# Altium PCB BCM_ECU_revA.PcbDoc (part 2 of 2)
Units mil, origin at the board's own origin, x right, y up, seen from the top; angles counter-clockwise.
Board outline 6000 x 4000 mil, 2 copper layers (Top Layer, Bottom Layer); 334 components, 321 nets, 1183 pads, 0 vias.
Unrouted connection lines stored in the file: 714.
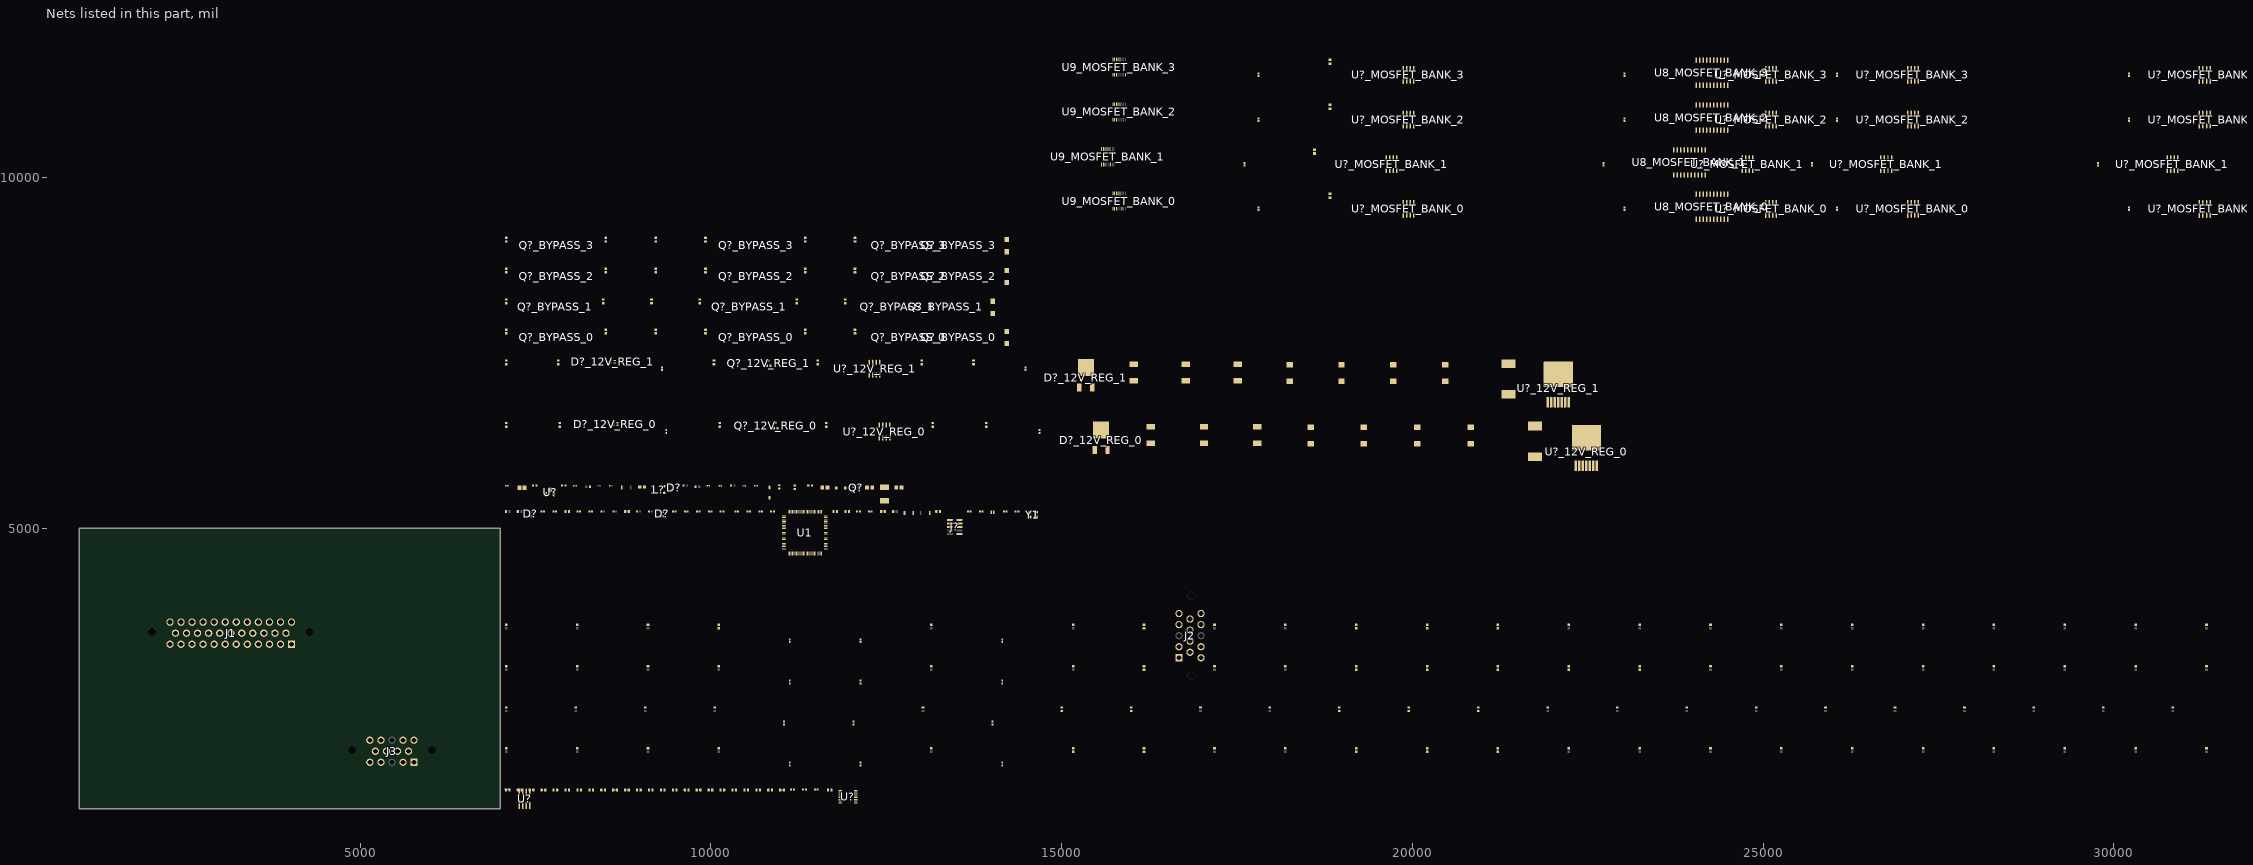
[diagram p2: the nets of this part, all layers, seen from the top]

## Part data (continued)
J1: library part CMP-03369-000154-1, "CONN HEADER R/A 35POS 4MM", Color=Black, Current Rating=17A, Flammability Rating="UL94 V-0", Max Operating Temperature=221°C, Max Voltage Rating (AC)=250V, Min Operating Temperature=-40°C, Package Quantity=1, Circuit Application=Power, Connector System=Wire-to-Device, Connector Type="Male Pin", Contact Material=Brass, Contact Plating=Tin, Contact Type="Male Pin", Depth=37.9mm, ELV=Compliant, Fastening Type=Ramp, Gender=Male, Height=32.1mm, Housing Material=Thermoplastic, Insulation=Insulated, Lead Free="Lead Free", Length=3.03inch, Mount="Through Hole", Number of Contacts=35, Number of Positions=35, Number of Rows=3, Number of Signal Positions=35, Orientation="Right Angle", Packaging=Bulk, PCB Mount Alignment="Yes (With)", PCB Mount Retention=With, PCB Thickness=0.062inch, Pitch=0.157inch, Primary Type=Rectangular, Radiation Hardening=No, RoHS Compliant=Yes, Row Spacing=0.157inch, Sealable="Yes (With)", Series=Ampseal, Shielding=Unshielded, Tab Thickness=1.3mm, Termination=Solder, Width=37.9mm
J2 J3: library part CMP-002-00075-1, "Combination Line Connector, 14 Contact(s), Male, Solder Terminal - MODEL IS CODE2 BUT USE CODE1", Mounting Technology=Board, RoHS Compliant=Yes
J?: library part CMP-001-0013-3, "CONN HEADER SMD 10POS 1.27MM"
L?: library part CMP-07251-000006-1, "CMC 51UH 200MA 2LN 2KOHM SMD", Case/Package=4532, Current=200mA, DC Resistance (DCR)=3.5R, Inductance=51uH, Insulation Resistance=10MR, Max Operating Temperature=125°C, Min Operating Temperature=-40°C, Package Quantity=1, Resistance=2kR, Self Resonant Frequency=100kHz, Tolerance=50%, Voltage Rating (DC)=50V, Contact Plating=Tin, Core Material=Ferrite, Current Rating=200mA, DC Current=200mA, Depth=3.4mm, Element Configuration=Dual, Height=0.118inch, Impedance=2kR, Lead Free="Lead Free", Length=4.5mm, Material=Steel, Max DC Current=200mA, Mount="Surface Mount", Number of Lines=2, Packaging="Tape and Reel", REACH SVHC="No SVHC", RoHS Compliant=Yes, Series=SRF4532, Termination=SMD/SMT, Test Frequency=100kHz, Width=0.126inch
L?_12V_REG_0 L?_12V_REG_1: library part CMP-07248-000069-1, "FIXED IND 10UH 10A 16.5 MOHM SMD", Case/Package=Nonstandard, Current Rating=10A, DC Resistance (DCR)=16.5mR, Inductance=10uH, Inductance Tolerance=20%, Max Operating Temperature=150°C, Min Operating Temperature=-40°C, Package Quantity=500, Ratings=AEC-Q200, Resistor Type=Wirewound, Saturation Current=15.5A, Self Resonant Frequency=10MHz, Test Frequency=100kHz, Core Material="Carbonyl Powder", Depth=12.5mm, Height=6.2mm, Height - Seated (Max)=0.252inch, Length=13.5mm, Max DC Current=10A, Mount="Surface Mount", Packaging="Cut Tape", Q Factor=20, REACH SVHC="No SVHC", RMS Current (Irms)=10A, RoHS Compliant=Yes, Shielding=Shielded, Termination=SMD/SMT, Tolerance=20%, Width=0.492inch
Q?: library part CMP-35916-000009-1, "MOSFET 2N-CH 60V 0.3A", Continuous Drain Current (ID)=300mA, Drain to Source Voltage (Vdss)=60V, Input Capacitance=40pF, Max Power Dissipation=285mW, FET Type="2 N-Channel", Mount="Surface Mount", Packaging="Tape and Reel", Rds On Max=1.5R
Q?_12V_REG_0 Q?_12V_REG_1: library part CMP-2000-05968-1, "N-Channel Enhancement Mode Mosfet, 50 V, 200 mA, -55 to 150 degC, 6-Pin SOT-323, RoHS, Tape and Reel", Id - Continuous Drain Current=200mA, Manufacturer=DiodesIncorporated, Maximum Operating Temperature=+150C, Minimum Operating Temperature=-55C, Package / Case=SOT-323-3, Package Description="3-Pin Small Outline Transistor, Body 2 x 1.25 mm, Pitch 0.65 mm", Package Reference=SOT323, Pd - Power Dissipation=200mW, Rds On - Drain-Source Resistance=1.4Ohms, Vds - Drain-Source Breakdown Voltage=75V, Vgs - Gate-Source Voltage=20V, Brand=DiodesIncorporated, Channel Mode=Enhancement, Configuration=Single, Datasheet URL=http://www.diodes.com/_files/datasheets/ds30206.pdf, Datasheet Version="Rev. 11-2, 09/2013", Factory Pack Quantity=3000, Forward Transconductance - Min=0.1S, Height=1mm, Length=2.2mm, Manufacturer URL=http://www.diodes.com/, Mounting Style=SMD/SMT, Mounting Technology=SurfaceMount, Number Of Channels=1Channel, Packaging=Reel, Product=MOSFETSmallSignal, Product Category=MOSFET, RoHS=True, Series=BSS138, Technology=Si, Transistor Polarity=N-Channel, Transistor Type=1N-Channel, Type=EnhancementModeFieldEffectTransistor, Typical Turn-Off Delay Time=20ns, Typical Turn-On Delay Time=20ns, Unit Weight=0.000212oz, Width=1.35mm
Q?_BYPASS_0 Q?_BYPASS_0 Q?_BYPASS_1 Q?_BYPASS_1 Q?_BYPASS_2 Q?_BYPASS_2 Q?_BYPASS_3 Q?_BYPASS_3: library part CMP-35916-000023-1, "SMALL-SIGNAL MOSFET 2 IN 1 NCH +"
Q?_BYPASS_0 Q?_BYPASS_0 Q?_BYPASS_1 Q?_BYPASS_1 Q?_BYPASS_2 Q?_BYPASS_2 Q?_BYPASS_3 Q?_BYPASS_3: library part CMP-013-00018-2, "Trans MOSFET P-CH 20V 22.1A 8-Pin PowerPAK 1212 EP T/R", Component Type=Standard, Design Item ID=CMP-013-00036-4, Pins=5, Source=SISH615ADN-T1-GE3.SchLib
R4 R11 R? R? R?: library part CMP-1012-00623-3, "Chip Resistor, 10 KOhm, +/- 1%, 0.1 W, -55 to 155 degC, 0603 (1608 Metric), RoHS, Tape and Reel", Case Code (Imperial)=0603, Case Code (Metric)=1608, Manufacturer=Panasonic, Max Operating Temperature=155degC, Max Power Dissipation=100mW, Min Operating Temperature=-55degC, Package Description="2-Pin Surface Mount Device, Body 1.6 x 0.85 mm", Package Quantity=1, Package Reference=603, Resistance=10KOhm, Temperature Coefficient=100ppm\/degreesC, Tolerance=1%, Voltage Rating=75V, Case\/Package=0603, Composition=ThickFilm, Contact Plating=Tin, Datasheet URL=https://industrial.panasonic.com/cdbs/www-data/pdf/RDA0000/AOA0000C304.pdf, Datasheet Version=02/2017, Depth=0.8mm, Height=0.45mm, Lead Free=LeadFree, Length=1.6mm, Manufacturer URL=http://www.panasonic.com/, Military Standard=Not, Mount=SurfaceMount, Mounting Technology=SurfaceMount, Number of Pins=2, Number of Terminations=2, Packaging=TapeandReel, Power Rating=100mW, Radiation Hardening=No, REACH SVHC=NoSVHC, RoHSCompliant=true, Termination=SMD/SMT, Voltage Rating (DC)=75V, Width=0.031inch
R16: library part CMP-2000-00389-1, Manufacturer=Panasonic, Part Number=ERJ3EKF2701V
R41_MOSFET_BANK_0 R41_MOSFET_BANK_1 R41_MOSFET_BANK_2 R41_MOSFET_BANK_3: library part CMP-2000-00869-1, Manufacturer=Panasonic, Part Number=ERT-J1VR103J
R? R? R? R? R? R? R? R? R? R? R? R? R? R? R? R? R? R? R? R? R? R? R? R? R? R? R? R? R? R? R? R? R? R? R? R? R? R?_12V_REG_0 R?_12V_REG_0 R?_12V_REG_0 R?_12V_REG_0 R?_12V_REG_0 R?_12V_REG_0 R?_12V_REG_1 R?_12V_REG_1 R?_12V_REG_1 R?_12V_REG_1 R?_12V_REG_1 R?_12V_REG_1 R?_BYPASS_0 R?_BYPASS_0 R?_BYPASS_0 R?_BYPASS_0 R?_BYPASS_0 R?_BYPASS_0 R?_BYPASS_1 R?_BYPASS_1 R?_BYPASS_1 R?_BYPASS_1 R?_BYPASS_1 R?_BYPASS_1 R?_BYPASS_2 R?_BYPASS_2 R?_BYPASS_2 R?_BYPASS_2 R?_BYPASS_2 R?_BYPASS_2 R?_BYPASS_3 R?_BYPASS_3 R?_BYPASS_3 R?_BYPASS_3 R?_BYPASS_3 R?_BYPASS_3 R?_MOSFET_BANK_0 R?_MOSFET_BANK_0 R?_MOSFET_BANK_0 R?_MOSFET_BANK_0 R?_MOSFET_BANK_0 R?_MOSFET_BANK_0 R?_MOSFET_BANK_0 R?_MOSFET_BANK_0 R?_MOSFET_BANK_0 R?_MOSFET_BANK_0 R?_MOSFET_BANK_0 R?_MOSFET_BANK_0 R?_MOSFET_BANK_0 R?_MOSFET_BANK_0 R?_MOSFET_BANK_0 R?_MOSFET_BANK_0 R?_MOSFET_BANK_0 R?_MOSFET_BANK_0 R?_MOSFET_BANK_0 R?_MOSFET_BANK_0 R?_MOSFET_BANK_0 R?_MOSFET_BANK_0 R?_MOSFET_BANK_1 R?_MOSFET_BANK_1 R?_MOSFET_BANK_1 R?_MOSFET_BANK_1 R?_MOSFET_BANK_1 R?_MOSFET_BANK_1 R?_MOSFET_BANK_1 R?_MOSFET_BANK_1 R?_MOSFET_BANK_1 R?_MOSFET_BANK_1 R?_MOSFET_BANK_1 R?_MOSFET_BANK_1 R?_MOSFET_BANK_1 R?_MOSFET_BANK_1 R?_MOSFET_BANK_1 R?_MOSFET_BANK_1 R?_MOSFET_BANK_1 R?_MOSFET_BANK_1 R?_MOSFET_BANK_1 R?_MOSFET_BANK_1 R?_MOSFET_BANK_1 R?_MOSFET_BANK_1 R?_MOSFET_BANK_2 R?_MOSFET_BANK_2 R?_MOSFET_BANK_2 R?_MOSFET_BANK_2 R?_MOSFET_BANK_2 R?_MOSFET_BANK_2 R?_MOSFET_BANK_2 R?_MOSFET_BANK_2 R?_MOSFET_BANK_2 R?_MOSFET_BANK_2 R?_MOSFET_BANK_2 R?_MOSFET_BANK_2 R?_MOSFET_BANK_2 R?_MOSFET_BANK_2 R?_MOSFET_BANK_2 R?_MOSFET_BANK_2 R?_MOSFET_BANK_2 R?_MOSFET_BANK_2 R?_MOSFET_BANK_2 R?_MOSFET_BANK_2 R?_MOSFET_BANK_2 R?_MOSFET_BANK_2 R?_MOSFET_BANK_3 R?_MOSFET_BANK_3 R?_MOSFET_BANK_3 R?_MOSFET_BANK_3 R?_MOSFET_BANK_3 R?_MOSFET_BANK_3 R?_MOSFET_BANK_3 R?_MOSFET_BANK_3 R?_MOSFET_BANK_3 R?_MOSFET_BANK_3 R?_MOSFET_BANK_3 R?_MOSFET_BANK_3 R?_MOSFET_BANK_3 R?_MOSFET_BANK_3 R?_MOSFET_BANK_3 R?_MOSFET_BANK_3 R?_MOSFET_BANK_3 R?_MOSFET_BANK_3 R?_MOSFET_BANK_3 R?_MOSFET_BANK_3 R?_MOSFET_BANK_3 R?_MOSFET_BANK_3: library part CMP-009-00002-14, "Resistor"
R? R?: library part CMP-1012-00372-3, "RES SMD 60.4 OHM 1% 1/10W 0603", Case Code (Imperial)=0603, Case Code (Metric)=1608, Max Operating Temperature=155°C, Max Power Dissipation=100mW, Min Operating Temperature=-55°C, Package Quantity=1, Resistance=60.4R, Resistance Tolerance=1%, Resistor Type="Thick Film", Temperature Coefficient=100ppm/°C, Voltage Rating=75V, Voltage Rating (DC)=50V, Case/Package=0603, Construction=Rectangular, Contact Plating=Tin, Depth=0.8mm, Features="Automotive AEC-Q200", Height=0.022inch, Lead Free="Lead Free", Length=1.6mm, Military Standard=Not, Mount="Surface Mount", Number of Terminations=2, Packaging="Tape and Reel", Power Rating=100mW, REACH SVHC="No SVHC", RoHS Compliant=Yes, Series=ERJ, Termination=SMD/SMT, Tolerance=1%, Width=0.031inch
R?: library part CMP-2000-00180-1, Manufacturer=Panasonic, Part Number=ERJ-3EKF1001V
R?: library part CMP-2000-00213-2, "Chip Resistor, 120 Ohm, +/- 1%, 0.1 W, -55 to 155 degC, 0603 (1608 Metric), RoHS, Tape and Reel", Case Code (Imperial)=0603, Case Code (Metric)=1608, Manufacturer=Panasonic, Max Operating Temperature=155degC, Max Power Dissipation=100mW, Min Operating Temperature=-55degC, Package Description="2-Pin Surface Mount Device, Body 1.6 x 0.85 mm", Package Quantity=1, Resistance=120Ohm, Temperature Coefficient=100ppm/degreesC, Tolerance=1%, Voltage Rating=75V, Case/Package=0603, Composition=ThickFilm, Contact Plating=Tin, Datasheet URL=https://industrial.panasonic.com/cdbs/www-data/pdf/RDA0000/AOA0000C283.pdf, Datasheet Version=42095.0, Depth=0.8mm, Height=0.022inch, Lead Free=LeadFree, Length=1.6mm, Manufacturer URL=http://www.panasonic.com/, Military Standard=Not, Mount=SurfaceMount, Number of Pins=2, Number of Terminations=2, Package Reference=0603, Package URL=http://www.st.com/st-web-ui/static/active/en/resource/technical/document/datasheet/CD00001320.pdf, Packaging=TapeandReel, Power Rating=100mW, Radiation Hardening=No, REACH SVHC=NoSVHC, RoHSCompliant=true, Termination=SMD/SMT, Voltage Rating (DC)=75V, Width=0.031inch
SW1 SW2 SW?: library part CMP-10040-000029-1, "SWITCH TACTILE SPST-NO 0.02A 15V", Current Rating=5A, Flammability Rating="UL94 V-0", Insulation Color=Black, Max Operating Temperature=85°C, Min Operating Temperature=-40°C, Operating Force=240gf, Actuator Type=Standard, Connector Type=USB, Contact Plating=Gold, Gender=Receptacle, Illumination Type=Non-Illuminated, Mechanical Life=500000Cycles, Mount="Surface Mount", Number of Contacts=24, Number of Ports=1, Packaging="Tape and Reel", Switch Function=Off-Mom, Switch Travel=0.13mm, Termination=Solder, Throw Configuration=SPST
U1: library part CMP-12105-000107-1, "IC MCU 32BIT 128KB FLASH 100LQFP"
U8_MOSFET_BANK_0 U8_MOSFET_BANK_1 U8_MOSFET_BANK_2 U8_MOSFET_BANK_3: library part CMP-1095-00041-1, "Smart High-Side Power Switch for Industrial Applications 4 Channels: 4 x 140 mOhm Status Feedback, 5.5 to 40 V Operating, -30 to 85 degC, PG-DSO-20-32, Reel, Green", Load Current (typ)="1.3Â A", Manufacturer=Infineon, Operating Voltage Range (max)="40 V", Operating Voltage Range (min)="5.5Â V", Channels=4, ComponentLink1Description="Manufacturer URL", ComponentLink1URL=http://www.infineon.com/, ComponentLink2Description=Datasheet, ComponentLink2URL=http://www.infineon.com/dgdl/ITS716G_DS11_20081002.pdf?folderId=db3a304412b407950112b408e8c90004&fileId=db3a304412b407950112b428c2cf3e6d, ComponentLink3Description="Package Specification", ComponentLink3URL=http://www.infineon.com/dgdl/BTS+4130QGA_DS10+_neu.pdf?folderId=db3a304314dca389011537739e37155f&fileId=db3a30431a5c32f2011a957932285680&sId=db3a30433d68e984013d7f42d6576278, DatasheetVersion="Rev. 1.1", Diagnostic=Digital, Green=TRUE, Halogen-free=available, IL (nom)min - all channels active="1.3Â A", IL (nom)min - one channel active="2.3Â A", IL (SC)="9 A", IL (SCp)="9 A", Mounting Technology="Surface Mount", PackageDescription="20-Pin Plastic (Green) Dual Small Outline Package, 12.7 x 7.5 mm Body, 1.27 mm Pitch", PackageReference=PG-DSO-20-32, PackageVersion=Mar-08, Packing=Reel, PartNumber=ITS716G, Ptot (max)="3.6Â W", RON (max) @ Tj max="280 mOhm", RON @ 25 degC="140 mOhm (max)", toff (max)="270 us", ton (max)="250 us"
U9_MOSFET_BANK_0 U9_MOSFET_BANK_1 U9_MOSFET_BANK_2 U9_MOSFET_BANK_3 U?: library part CMP-0054-00372-2, "8-Channel, 50 kSPS to 200 kSPS, 8-Bit A/D Converter, 16-pin TSSOP, Pb-Free", Manufacturer="National Semiconductor", PackageTopMarking=NSUZXYTT*88S022*CIMT, PowerWise=Y, Code_JEDEC=MO-153-AB, ComponentLink1Description="ADC088S022 Datasheet", ComponentLink1URL=http://www.national.com/ds/AD/ADC088S022.pdf, ComponentLink2Description="ADC088S022 Web Page", ComponentLink2URL=http://www.national.com/pf/AD/ADC088S022.html, ComponentLink3Description="MTC16 Package Page", ComponentLink3URL=http://www.national.com/packaging/folders/mtc16.html, CompType="ADC IC", DatasheetVersion=Feb-2010, PackageDescription="Molded TSSOP, Jedec, 5 x 4.4 x 0.9mm Body, 16 Lead, 0.65mm Pitch", PackageReference=MTC16, PackageVersion="revD, Jun-2003", PinCount=16, RevisionNote="Component URLs added", RoHS=Y
U?: library part CMP-1557-00015-2, "SENSOR CURRENT HALL 25A AC/DC", Case/Package=SOIC, Current Sensing=25A, Frequency=100kHz, Max Operating Temperature=125°C, Max Supply Current=5.5mA, Max Supply Voltage=5.5V, Min Operating Temperature=-40°C, Min Supply Voltage=3V, Operating Supply Voltage=3.3V, Package Quantity=1, Quiescent Current=4mA, -3db Bandwidth=100kHz, Accuracy=4%, Bandwidth=100kHz, Height=1.5mm, Length=4.9mm, Linearity=1%, Number Of Channels=1, Number of Pins=8, Packaging="Tape and Reel", Polarity=Bidirectional, REACH SVHC="No SVHC", Response Time=4.6us, RoHS Compliant=Yes, Sensitivity=55mV/A, Series=-, Width=3.9mm
U?: library part CMP-12756-000009-1, "IC REG LINEAR 5V 150MA SOT89", Ambient Temperature Range High=+85°C, Ambient Temperature Range Low=-40°C, Dropout Voltage=1000mV, Manufacturer="Diodes Inc.", Max Junction Temp=+125°C, Max Supply Voltage=40V, Min Supply Voltage=3.3V, Nominal Supply Current=2.5-25uA, Output Current=150mA, Output Voltage=5V, Package=SOT89, Temperature="-40°C to +125°C", Automotive=No, Category=IC, ComponentLink2Description=Datasheet, ComponentLink2URL=https://www.diodes.com/assets/Datasheets/AP7381.pdf, Device Class L1="Integrated Circuits (ICs)", Device Class L2="Power Management ICs", Device Class L3="Voltage Regulators - Linear", Digikey Description="IC REG LINEAR 5V 150MA SOT89", Footprint Url=https://www.diodes.com/assets/Package-Files/SOT89.pdf, Height=1.6mm, Lead Free=Yes, Manufacturer Part Number=AP7381-50Y-13, Number Of Outputs=1, Octopart=https://octopart.com/ap7381-50y-13-diodes+inc.-87775116, Output Type=Fixed, RoHS=TRUE, Temperature Range High=+125°C, Temperature Range Low=-40°C
U?_12V_REG_0 U?_12V_REG_1 U?_MOSFET_BANK_0 U?_MOSFET_BANK_0 U?_MOSFET_BANK_0 U?_MOSFET_BANK_0 U?_MOSFET_BANK_1 U?_MOSFET_BANK_1 U?_MOSFET_BANK_1 U?_MOSFET_BANK_1 U?_MOSFET_BANK_2 U?_MOSFET_BANK_2 U?_MOSFET_BANK_2 U?_MOSFET_BANK_2 U?_MOSFET_BANK_3 U?_MOSFET_BANK_3 U?_MOSFET_BANK_3 U?_MOSFET_BANK_3: library part CMP-1557-00012-2, "SENSOR CURRENT HALL 12.5A AC/DC", Case/Package=SOIC, Current Sensing=12.5A, Frequency=100kHz, Max Operating Temperature=125°C, Max Supply Current=5.5mA, Max Supply Voltage=5.5V, Min Operating Temperature=-40°C, Min Supply Voltage=3V, Operating Supply Voltage=3.3V, Package Quantity=1, Quiescent Current=4mA, -3db Bandwidth=100kHz, Accuracy=5%, Bandwidth=100kHz, Height=1.5mm, Length=4.9mm, Linearity=1%, Number Of Channels=1, Number of Pins=8, Packaging="Tape and Reel", Polarity=Bidirectional, REACH SVHC="No SVHC", Response Time=4.6us, RoHS Compliant=Yes, Sensitivity=110mV/A, Series=-, Width=3.9mm
U?_12V_REG_0 U?_12V_REG_1: library part CMP-0069-00198-3, "SIMPLE SWITCHER® High Efficiency 5A Step-Down Voltage Regulator with Sync, 7-pin TO-263, Pb-Free", Manufacturer="Texas Instruments", PackageTopMarking=NSUZXYTTE#*LM2677S*-12, PowerWise=N, Code_JEDEC=MO-169-AC, ComponentLink1Description="Datasheet URL", ComponentLink1URL=http://www.ti.com/general/docs/lit/getliterature.tsp?genericPartNumber=LM2677&fileType=pdf, CompType=Switcher, PackageDescription="TO-263, Molded, .400 x .390 x .180in Body, 7 Lead, .050in Pitch, Surface Mount", PackageReference=KTW0007B, PinCount=7, RoHS=Y
Y1: library part CMP-27762-011708-1, "Crystal 48MHz ±20ppm 18pF SMD-4 3.2mm x 2.5mm", Case/Package=CSMD, ESR (Equivalent Series Resistance)=35R, Frequency=48MHz, Frequency Stability=50ppm, Frequency Tolerance=20ppm, Load Capacitance=18pF, Max Operating Temperature=70°C, Min Operating Temperature=-20°C, Operating Frequency="48 MHz", Package Quantity=1000, Resistor Type=Ceramic, Depth=2.5mm, Height=0.031inch, Lead Free="Lead Free", Length=3.2mm, Mount="Surface Mount", Number of Pins=4, Packaging="Tape and Reel", Radiation Hardening=No, REACH SVHC="No SVHC", RoHS Compliant=Yes, Series=ABM8, Series Resistance=35R, Termination=SMD/SMT, Tolerance=20ppm, Width=0.098inch
Y2: library part CMP-40224-000006-1, "CRYSTAL 32.7680KHZ 12.5PF SMD", Frequency=32.768kHz, Load Capacitance=12.5pF, Manufacturer="ECS International", Package=ECX-1210, Temperature="-40°C to +85°C", Temperature Range High=+85°C, Temperature Range Low=-40°C, Tolerance=20ppm, Automotive=No, Category=Crys, ComponentLink2Description=Datasheet, ComponentLink2URL=https://ecsxtal.com/store/pdf/ECX-1210.pdf, Device Class L1="Passive Components", Device Class L2="Crystals / Oscillators", Device Class L3=Crystals, Digikey Description="CRYSTAL 32.7680KHZ 12.5PF SMD", Esr=90kΩ, Height=0.5mm, Lead Free=Yes, Manufacturer Part Number=ECS-.327-12.5-1210-TR, Octopart=https://octopart.com/ecs-.327-12.5-1210-tr-ecs+international-81221340, RoHS=TRUE, Series=ECX-1210

## Nets (pads, with @x,y where several pads share a name; then routed paths per layer and width w, separated by ;. In a path a pad name is that pad's centre, name@x,y a point inside that pad or via, vN(x,y) a via of type N, cw(c..) or ccw(c..) an arc to the next point about the centre after c; other vN are vias at no path point)
3V3: C?.1@7076.16,1280 C?.1@11486.16,1275 C?.1@12086.16,5240 C?.2@8138.84,5240 C?.2@8308.84,5240 C?.2@9838.84,5240 C?.2@9980.75,5605 C?.2@10008.84,5240 C?.2@10388.84,5240 C?.2@10558.84,5240 C?.2@10728.84,5240 C?.2@10898.84,5240 C?_12V_REG_0.1@9365,6361.16 C?_12V_REG_1.1@9305,7256.16 C?_MOSFET_BANK_0.1@14155,1621.16 C?_MOSFET_BANK_0.1@17805,9536.16 C?_MOSFET_BANK_0.1@23025,9536.16 C?_MOSFET_BANK_0.1@26055,9536.16 C?_MOSFET_BANK_0.1@30215,9536.16 C?_MOSFET_BANK_1.1@14015,2206.16 C?_MOSFET_BANK_1.1@17605,10171.16 C?_MOSFET_BANK_1.1@22725,10171.16 C?_MOSFET_BANK_1.1@25695,10171.16 C?_MOSFET_BANK_1.1@29775,10171.16 C?_MOSFET_BANK_2.1@14155,2791.16 C?_MOSFET_BANK_2.1@17805,10806.16 C?_MOSFET_BANK_2.1@23025,10806.16 C?_MOSFET_BANK_2.1@26055,10806.16 C?_MOSFET_BANK_2.1@30215,10806.16 C?_MOSFET_BANK_3.1@14155,3381.16 C?_MOSFET_BANK_3.1@17805,11446.16 C?_MOSFET_BANK_3.1@23025,11446.16 C?_MOSFET_BANK_3.1@26055,11446.16 C?_MOSFET_BANK_3.1@30215,11446.16 D?.2@7417.28,5173.5 D?.2@9287.28,5173.5 D?.3@7452.72,5173.5 D?.3@9322.72,5173.5 D?_12V_REG_0.3@8671.5,6502.72 D?_12V_REG_1.3@8631.5,7392.72 FB1.1 J?.1 R41_MOSFET_BANK_0.2 R41_MOSFET_BANK_1.2 R41_MOSFET_BANK_2.2 R41_MOSFET_BANK_3.2 R?.1@11669.41,1270 R?.1@11919.41,5240 R?.2@9850.59,1270 R?.2@10020.59,1270 R?.2@10190.59,1270 R?.2@10360.59,1270 R?.2@10530.59,1270 R?.2@10700.59,1270 R?.2@10870.59,1270 R?.2@11040.59,1270 R?.2@13265.59,5240 R?_12V_REG_0.1@13165,6449.41 R?_12V_REG_1.1@13005,7339.41 R?_MOSFET_BANK_0.1@16175,1814.41 R?_MOSFET_BANK_0.2@20210,1865.59 R?_MOSFET_BANK_0.2@21220,1865.59 R?_MOSFET_BANK_0.2@23240,1865.59 R?_MOSFET_BANK_0.2@25260,1865.59 R?_MOSFET_BANK_0.2@27280,1865.59 R?_MOSFET_BANK_1.1@15995,2394.41 R?_MOSFET_BANK_1.2@19950,2445.59 R?_MOSFET_BANK_1.2@20940,2445.59 R?_MOSFET_BANK_1.2@22920,2445.59 R?_MOSFET_BANK_1.2@24900,2445.59 R?_MOSFET_BANK_1.2@26880,2445.59 R?_MOSFET_BANK_2.1@16175,2984.41 R?_MOSFET_BANK_2.2@20210,3035.59 R?_MOSFET_BANK_2.2@21220,3035.59 R?_MOSFET_BANK_2.2@23240,3035.59 R?_MOSFET_BANK_2.2@25260,3035.59 R?_MOSFET_BANK_2.2@27280,3035.59 R?_MOSFET_BANK_3.1@16175,3574.41 R?_MOSFET_BANK_3.2@20210,3625.59 R?_MOSFET_BANK_3.2@21220,3625.59 R?_MOSFET_BANK_3.2@23240,3625.59 R?_MOSFET_BANK_3.2@25260,3625.59 R?_MOSFET_BANK_3.2@27280,3625.59 SW2.2 U1.6 U1.11 U1.27 U1.50 U1.75 U1.100 U9_MOSFET_BANK_0.2 U9_MOSFET_BANK_1.2 U9_MOSFET_BANK_2.2 U9_MOSFET_BANK_3.2 U?.2@11844.76,1238.98 U?.5@7420,1240.12 U?_12V_REG_0.8@12400,6471.18 U?_12V_REG_1.8@12260,7366.18 U?_MOSFET_BANK_0.8 U?_MOSFET_BANK_1.8 U?_MOSFET_BANK_2.8 U?_MOSFET_BANK_3.8
5V: C?.2@7345.43,5580 C?.2@10490.75,5605 R?.2@7930.59,5610 U?.1@7650.94,5480.63 U?.3@7370,1049.88
12V_FB_12V_REG_0: C?_12V_REG_0.2@18550,6443.5 C?_12V_REG_0.2@19310,6443.5 C?_12V_REG_0.2@20070,6443.5 C?_12V_REG_0.2@20830,6443.5 D?_12V_REG_0.2 L?_12V_REG_0.2 U?_12V_REG_0.1@12400,6288.82 U?_12V_REG_0.2@12450,6288.82 U?_12V_REG_0.6@22580,5895
12V_FB_12V_REG_1: C?_12V_REG_1.2@18250,7333.5 C?_12V_REG_1.2@18990,7333.5 C?_12V_REG_1.2@19730,7333.5 C?_12V_REG_1.2@20470,7333.5 D?_12V_REG_1.2 L?_12V_REG_1.2 U?_12V_REG_1.1@12260,7183.82 U?_12V_REG_1.2@12310,7183.82 U?_12V_REG_1.6@22180,6800
12V_LL_I_SENSE_12V_REG_0: U?_12V_REG_0.7@12450,6471.18
12V_LL_I_SENSE_12V_REG_1: U?_12V_REG_1.7@12310,7366.18
12V_OUT_12V_REG_0: J2.1 J2.2 J2.4 J2.5 J3.1 J3.2 J3.4 J3.5 U?_12V_REG_0.3@12500,6288.82 U?_12V_REG_0.4@12550,6288.82
12V_OUT_12V_REG_1: U?_12V_REG_1.3@12360,7183.82 U?_12V_REG_1.4@12410,7183.82
ADC_IN0: R?.1@8439.41,1270 R?.2@7130.59,1270 U?.4@11844.76,1187.8
ADC_IN1: R?.1@8609.41,1270 R?.2@7300.59,1270 U?.5@11844.76,1162.2
ADC_IN2: R?.1@8779.41,1270 R?.2@7470.59,1270 U?.6@11844.76,1136.61
ADC_IN3: R?.1@8949.41,1270 R?.2@7640.59,1270 U?.7@11844.76,1111.02
ADC_IN4: R?.1@9119.41,1270 R?.2@7810.59,1270 U?.8@11844.76,1085.43
ADC_IN5: R?.1@9289.41,1270 R?.2@7980.59,1270 U?.9
ADC_IN6: R?.1@9459.41,1270 R?.2@8150.59,1270 U?.10
ADC_IN7: R?.1@9629.41,1270 R?.2@8320.59,1270 U?.11
ADC_MISO: U?.15
ADC_MISO_MOSFET_BANK_0: U9_MOSFET_BANK_0.15 U9_MOSFET_BANK_1.15 U9_MOSFET_BANK_2.15 U9_MOSFET_BANK_3.15
ADC_MOSI: U?.14
ADC_MOSI_MOSFET_BANK_0: U9_MOSFET_BANK_0.14 U9_MOSFET_BANK_1.14 U9_MOSFET_BANK_2.14 U9_MOSFET_BANK_3.14
ADC_nCS: U?.1@11844.76,1264.57
ADC_nCS_MOSFET_BANK_0: U9_MOSFET_BANK_0.1
ADC_nCS_MOSFET_BANK_1: U9_MOSFET_BANK_1.1
ADC_nCS_MOSFET_BANK_2: U9_MOSFET_BANK_2.1
ADC_nCS_MOSFET_BANK_3: U9_MOSFET_BANK_3.1
ADC_SCLK: U?.16
ADC_SCLK_MOSFET_BANK_0: U9_MOSFET_BANK_0.16 U9_MOSFET_BANK_1.16 U9_MOSFET_BANK_2.16 U9_MOSFET_BANK_3.16
ADDR_PWM_0: J2.10
ADDR_PWM_1: J2.11
ADDR_PWM_2: J2.13
ADDR_PWM_3: J2.14
ADDR_PWM_4: J3.10
ADDR_PWM_5: J3.11
ADDR_PWM_6: J3.13
ADDR_PWM_7: J3.14
BOOT: C?.2@12123.84,5240 R?.1@12429.41,5240 R?.2@11800.59,5240 U1.94
CAN_INH: U?.7@7320,1240.12
CAN_MISO: U?.6@7370,1240.12
CAN_MOSI: 
CAN_N: C?.1@10629.25,5605 D?.1@9440.63,5605.59 J1.35 L?.4 R?.1@8986.54,5590 R?.1@9784.38,5595
CAN_nCS: 
CAN_P: C?.2@8080.75,5605 D?.2@9440.63,5554.41 J1.34 L?.1 R?.2@8275.62,5595 R?.2@9053.46,5590
CAN_RX: U?.4@7420,1049.88
CAN_SCLK: U?.8@7270,1240.12
CAN_TX: U?.1@7270,1049.88
CAN_VSUP: D?.2@10835,5581.85
EXT_IN_0: D?_BYPASS_0.2 J1.20
EXT_IN_1: D?_BYPASS_1.2 J1.21
EXT_IN_2: D?_BYPASS_2.2 J1.31
EXT_IN_3: D?_BYPASS_3.2 J1.32
G_LED: R?.1@8779.41,5240 U1.15
GATE_BYPASS_0: Q?_BYPASS_0.4@12860.12,7764.86 Q?_BYPASS_0.4@13570.12,7764.86 R?_BYPASS_0.1@9215,7779.41 R?_BYPASS_0.2@9925,7830.59
GATE_BYPASS_1: Q?_BYPASS_1.4@12700.12,8194.86 Q?_BYPASS_1.4@13390.12,8194.86 R?_BYPASS_1.1@9155,8209.41 R?_BYPASS_1.2@9845,8260.59
GATE_BYPASS_2: Q?_BYPASS_2.4@12860.12,8634.86 Q?_BYPASS_2.4@13570.12,8634.86 R?_BYPASS_2.1@9215,8649.41 R?_BYPASS_2.2@9925,8700.59
GATE_BYPASS_3: Q?_BYPASS_3.4@12860.12,9074.86 Q?_BYPASS_3.4@13570.12,9074.86 R?_BYPASS_3.1@9215,9089.41 R?_BYPASS_3.2@9925,9140.59
GND: C?.1@7074.25,5605 C?.1@7274.57,5580 C?.1@7586.16,5240 C?.1@7756.16,5240 C?.1@8049.25,5605 C?.1@8101.16,5240 C?.1@8271.16,5240 C?.1@8441.16,5240 C?.1@8559.25,5605 C?.1@8611.16,5240 C?.1@8951.16,5240 C?.1@9121.16,5240 C?.1@9461.16,5240 C?.1@9631.16,5240 C?.1@9801.16,5240 C?.1@9949.25,5605 C?.1@9971.16,5240 C?.1@10119.25,5605 C?.1@10351.16,5240 C?.1@10459.25,5605 C?.1@10521.16,5240 C?.1@10691.16,5240 C?.1@10861.16,5240 C?.1@12256.16,5240 C?.1@13666.16,5240 C?.1@13836.16,5240 C?.1@14176.16,5240 C?.1@14346.16,5240 C?.2@7113.84,1280 C?.2@8420.75,5605 C?.2@10660.75,5605 C?.2@11183.84,1275 C?.2@11353.84,1275 C?.2@11523.84,1275 C?_12V_REG_0.1@16270,6211.89 C?_12V_REG_0.1@17030,6211.89 C?_12V_REG_0.1@17790,6211.89 C?_12V_REG_0.1@18550,6206.5 C?_12V_REG_0.1@19310,6206.5 C?_12V_REG_0.1@20070,6206.5 C?_12V_REG_0.1@20830,6206.5 C?_12V_REG_0.2@9365,6398.84 C?_12V_REG_1.1@16030,7101.89 C?_12V_REG_1.1@16770,7101.89 C?_12V_REG_1.1@17510,7101.89 C?_12V_REG_1.1@18250,7096.5 C?_12V_REG_1.1@18990,7096.5 C?_12V_REG_1.1@19730,7096.5 C?_12V_REG_1.1@20470,7096.5 C?_12V_REG_1.2@9305,7293.84 C?_MOSFET_BANK_0.2 C?_MOSFET_BANK_1.2 C?_MOSFET_BANK_2.2 C?_MOSFET_BANK_3.2 D?.3@9519.37,5580 D?_12V_REG_0.1@15474.84,6116.77 D?_12V_REG_0.3@15655.16,6116.77 D?_12V_REG_1.1@15254.84,7006.77 D?_12V_REG_1.3@15435.16,7006.77 J2.6 J2.7 J2.8 J2.9 J3.6 J3.7 J3.8 J3.9 J?.3 J?.5 Q?.1 Q?_12V_REG_0.2 Q?_12V_REG_1.2 Q?_BYPASS_0.1@7831.57,7705.31 Q?_BYPASS_1.1@7811.57,8140.31 Q?_BYPASS_2.1@7831.57,8575.32 Q?_BYPASS_3.1@7831.57,9015.32 R4.2 R16.1 R?.1@7079.41,1270 R?.1@7249.41,1270 R?.1@7249.41,5240 R?.1@7419.41,1270 R?.1@7589.41,1270 R?.1@7759.41,1270 R?.1@7929.41,1270 R?.1@8099.41,1270 R?.1@8269.41,1270 R?.1@11587.6,5580 R?.1@11749.41,5240 R?.2@7515.59,5610 R?_12V_REG_0.1@7845,6449.41 R?_12V_REG_0.2@10125,6500.59 R?_12V_REG_0.2@13925,6500.59 R?_12V_REG_1.1@7825,7339.41 R?_12V_REG_1.2@10045,7390.59 R?_12V_REG_1.2@13745,7390.59 R?_BYPASS_0.1@7085,7779.41 R?_BYPASS_0.2@9215,7830.59 R?_BYPASS_1.1@7085,8209.41 R?_BYPASS_1.2@9155,8260.59 R?_BYPASS_2.1@7085,8649.41 R?_BYPASS_2.2@9215,8700.59 R?_BYPASS_3.1@7085,9089.41 R?_BYPASS_3.2@9215,9140.59 R?_MOSFET_BANK_0.2@19200,1865.59 R?_MOSFET_BANK_1.2@18960,2445.59 R?_MOSFET_BANK_2.2@19200,3035.59 R?_MOSFET_BANK_3.2@19200,3625.59 SW1.2 SW?.1 U1.10 U1.19 U1.26 U1.49 U1.74 U1.99 U8_MOSFET_BANK_0.2 U8_MOSFET_BANK_0.6 U8_MOSFET_BANK_1.2 U8_MOSFET_BANK_1.6 U8_MOSFET_BANK_2.2 U8_MOSFET_BANK_2.6 U8_MOSFET_BANK_3.2 U8_MOSFET_BANK_3.6 U9_MOSFET_BANK_0.3 U9_MOSFET_BANK_0.12 U9_MOSFET_BANK_1.3 U9_MOSFET_BANK_1.12 U9_MOSFET_BANK_2.3 U9_MOSFET_BANK_2.12 U9_MOSFET_BANK_3.3 U9_MOSFET_BANK_3.12 U?.2@7320,1049.88 U?.2@7710,5550.75 U?.3@11844.76,1213.39 U?.12 U?_12V_REG_0.4@22480,5895 U?_12V_REG_0.5@12550,6471.18 U?_12V_REG_0.8@22480,6290.67 U?_12V_REG_1.4@22080,6800 U?_12V_REG_1.5@12410,7366.18 U?_12V_REG_1.8@22080,7195.67 U?_MOSFET_BANK_0.5 U?_MOSFET_BANK_1.5 U?_MOSFET_BANK_2.5 U?_MOSFET_BANK_3.5 Y1.2 Y1.4